# Altium PCB RFSOC_SAWG.PcbDoc (part 11 of 15)
Units mm, origin at the board's own origin, x right, y up, seen from the top; angles counter-clockwise.
Board outline 221.25 x 100 mm, 8 copper layers (Top Layer, Mid-Layer 2, Mid-Layer 3, Mid-Layer 4, Mid-Layer 5, Mid-Layer 6, Mid-Layer 7, Bottom Layer), stack 1.455 mm thick; 1107 components, 833 nets, 3980 pads, 2483 vias.
Unrouted connection lines stored in the file: 1.
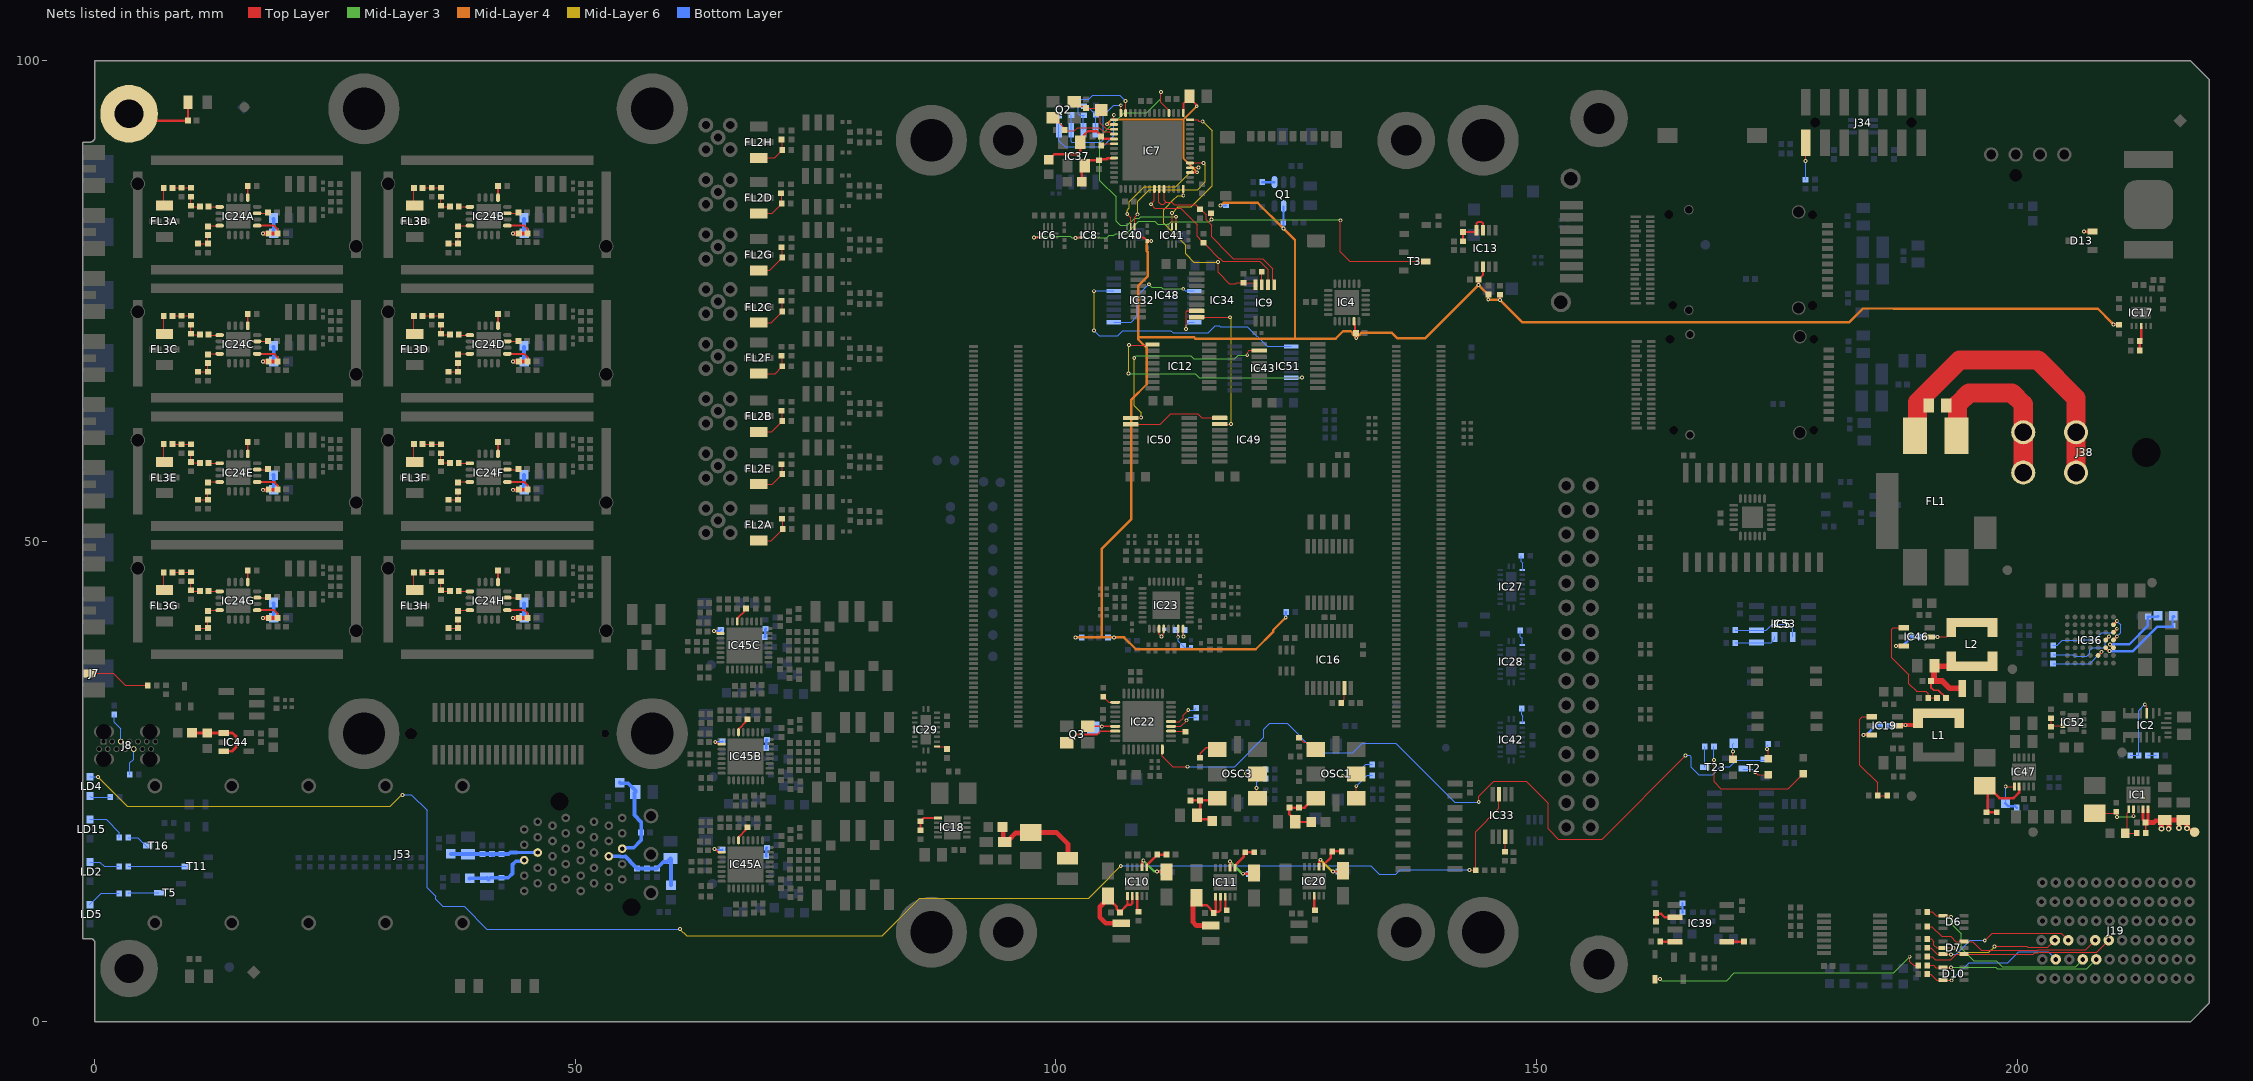
[diagram p17: the nets of this part, all layers, seen from the top]

## Via types
v1: diameter 0.4, hole 0.2, Top Layer to Bottom Layer, tented both sides, 1996 vias
v2: diameter 0.55, hole 0.2, Top Layer to Bottom Layer, 149 vias
v3: diameter 0.5, hole 0.2, Top Layer to Bottom Layer, tented both sides, 106 vias
v4: diameter 0.6, hole 0.3, Top Layer to Bottom Layer, tented both sides, 99 vias
v5: diameter 0.4, hole 0.15, Top Layer to Bottom Layer, tented both sides, 60 vias
v6: diameter 0.6, hole 0.3, Top Layer to Bottom Layer, 32 vias
v7: diameter 0.8, hole 0.5, Top Layer to Bottom Layer, tented both sides, 23 vias
v8: diameter 0.3/0.4/0.4/0.4/0.4/0.3 (per signal layer), hole 0.2, Top Layer to Bottom Layer, tented both sides, 12 vias
v9: diameter 0.4, hole 0.2, Top Layer to Bottom Layer, 5 vias
v10: diameter 0.5, hole 0.2, Top Layer to Bottom Layer, 1 vias

## Nets (pads, with @x,y where several pads share a name; then routed paths per layer and width w, separated by ;. In a path a pad name is that pad's centre, name@x,y a point inside that pad or via, vN(x,y) a via of type N, cw(c..) or ccw(c..) an arc to the next point about the centre after c; other vN are vias at no path point) (continued)
NetC67_1: C67.1 IC36.C1 R182.2 | length 7.3
  Top Layer w0.254: v1(209.662,39.279) 209.687,39.279 IC36.C1@210.037,38.929
  Bottom Layer w0.254: v1(209.662,39.279) 211.679,39.279 213.625,41.225 C67.1@213.625,42.175 214.625,42.175 R182.2@214.675,42.225
NetC76_2: C76.2 IC39.2 R274.2 | length 3
  Top Layer w0.254: R274.2@162.45,10.445 C76.2@162.45,11.35 162.563,11.237 162.988,11.237 163.34,10.885 IC39.2@164.4,10.885
NetC87_2: C87.2 IC36.B3 | length 6.1
  Top Layer w0.254: IC36.B3@208.437,38.129 208.787,38.479 v1(208.787,38.504)
  Bottom Layer w0.127: C87.2@203.75,37.275 207.558,37.275 v1(208.787,38.504)
NetC89_1: C89.1 FL1.3 J38.1 J38.2 | length 31.3
  Top Layer w2: FL1.3@189.4,61 189.65,61.25 189.65,64.475 194.05,68.875 202.175,68.875 206.15,64.9 J38.1@206.15,61.35 J38.2@206.15,57.15
NetC89_2: C89.2 FL1.1 J38.3 J38.4 | length 18.2
  Top Layer w2: FL1.1@193.7,61 193.822,61.122 193.822,64.27 194.994,65.442 199.478,65.442 200.65,64.27 J38.4@200.65,57.15
NetC90_1: C90.1 IC1.7 R2.2 | length 5.4
  Top Layer w0.127: C90.1@208.075,21.7 210.145,21.7 R2.2@210.325,21.88 210.394,21.811 v1(210.394,21.307) ; v1(212.125,21.4) IC1.7@212.125,22.125
  Mid-Layer 3 w0.127: v1(210.394,21.307) 210.441,21.354 212.079,21.354 v1(212.125,21.4)
NetC93_2: C93.2 IC44.1 IC44.3 L22.2 | length 7.3
  Top Layer w0.3: L22.2@10.116,30.078 10.141,30.053 C93.2@11.716,30.053 IC44.1@13.416,30.053 14.322,30.053 14.716,29.659 14.716,28.603 14.266,28.153 IC44.3@13.416,28.153
NetC108_2: C108.2 C109.2 IC7.5 L24.2 | length 9.2
  Top Layer w0.254: L24.2@99.275,89.7 99.85,90.275 102.225,90.275 102.53,90.58 C108.2@102.53,91.52 102.928,91.918 102.928,92.278 103.314,92.664 104.251,92.664 104.527,92.388 104.527,92.283 104.94,91.87 IC7.5@106.055,91.87
NetC110_2: C110.2 C111.2 IC7.9 L25.2 | length 5.3
  Top Layer w0.254: L25.2@102.675,87.4 102.675,88.775 C110.2@103,89.1 103,89.252 103.398,89.65 104.7,89.65 104.825,89.775 105.275,89.775 105.37,89.87 IC7.9@106.055,89.87
NetC132_1: C132.1 M1.1 R175.1 | length 8.3
  Top Layer w0.254: M1.1@3.569,94.486 4.28,93.775 C132.1@9.7,93.775 R175.1@9.7,95.675
NetC136_1: C136.1 IC19.6 | length 2.9
  Top Layer w0.254: v1(184.041,29.856) 184.046,29.86 IC19.6@184.865,29.86
  Bottom Layer w0.254: v1(184.041,29.856) 184.066,29.88 184.33,29.88 185.223,30.773 185.728,30.773 C136.1@185.765,30.81
NetC136_2: C136.2 IC19.2 L1.1 | length 4
  Top Layer w0.4: IC19.2@187.565,30.81 187.64,30.885 189.465,30.885 L1.1@189.697,31.116
  Bottom Layer w0.254: C136.2@186.665,30.81 188.306,30.81 188.368,30.872 v1(188.407,30.872)
NetC141_1: C141.1 IC46.6 | length 2.8
  Top Layer w0.127: IC46.6@188.193,39.125 IC46.6@188.218,39.1
  Top Layer w0.254: v1(187.425,39.125) IC46.6@188.193,39.125
  Bottom Layer w0.254: v1(187.425,39.125) 188.093,39.125 C141.1@189.018,40.05
NetC141_2: C141.2 IC46.2 L2.1 | length 5.1
  Top Layer w0.127: v1(191.718,40.05) IC46.2@190.918,40.05 192.686,40.05 193.168,40.532 L2.1@193.168,40.55
  Bottom Layer w0.254: C141.2@189.918,40.05 v1(191.718,40.05)
NetC144_2: C144.2 C145.2 L2.2 L6.1 R26.2 | length 11.9
  Top Layer w0.2: C144.2@191.068,35.475 191.068,35.204 191.068,34.757 191.32,34.505 191.83,34.505 192.615,33.72 R26.2@192.615,33.7
  Top Layer w0.6: C145.2@191.425,37 L2.2@195.311,37 ; C145.2@191.425,37.075 191.366,37.016 191.366,35.773 C144.2@191.068,35.475 192.225,35.475 192.975,34.725 L6.1@194.303,34.725
NetC148_1: C148.1 C151.1 L8.2 L10.1 | length 10.6
  Top Layer w0.5: L10.1@94.45,20.275 94.527,20.198 94.527,18.975 94.802,18.7 94.85,18.7 95.125,18.975 95.793,19.643 97.318,19.643 C151.1@97.375,19.7 100.075,19.7 101.25,18.525 101.25,17.05 L8.2@101.2,17
NetC155_2: C155.2 IC39.5 | length 1.8
  Top Layer w0.254: IC39.5@169.8,8.345 169.815,8.36 171.585,8.36 C155.2@171.6,8.375
NetC158_1: C158.1 IC47.7 R210.2 R211.2 | length 9
  Top Layer w0.254: R211.2@197.893,21.82 R210.2@196.825,21.82 196.975,21.97 196.975,24.25 C158.1@196.65,24.575 196.875,24.575 198.164,23.286 199.647,23.286 199.975,23.615 199.978,23.615 200.225,23.861 IC47.7@200.225,24.5
NetC179_2: C179.2 C182.2 C183.2 C323.2 J53.L15 L55.2 | length 9.1
  Bottom Layer w0.35: 43.88,17.62 J53.L15@46.072,17.62
  Bottom Layer w0.4: L55.2@37.05,17.5 37.075,17.475 41.3,17.475 C182.2@41.325,17.45 ; C182.2@41.343,17.381 41.507,17.381 41.577,17.45 C183.2@42.3,17.45 43.075,17.45 43.245,17.62 43.88,17.62
NetC184_2: C184.2 C185.2 J53.L16 L56.2 | length 6.9
  Bottom Layer w0.4: L56.2@39,14.925 39.025,14.95 40.775,14.95 C184.2@40.8,14.975 ; C184.2@40.962,14.812 41.148,14.998 C185.2@42.299,14.998 43.023,14.998 43.45,15.425 43.45,16.366 43.798,16.715 44.577,16.715 J53.L16@44.682,16.82
NetC186_2: C186.2 IC13.7 IC13.8 R240.1 | length 4.7
  Top Layer w0.2: R240.1@142.35,81.22 C186.2@142.35,82.192 143.675,82.192 143.775,82.292 IC13.8@143.775,82.375 143.775,83.108 143.892,83.225 144.308,83.225 144.425,83.108 IC13.7@144.425,82.375
NetC187_2: C187.2 IC23.7 R27.1 R83.1 | length 4.1
  Top Layer w0.127: v1(112.723,40.064) 112.724,40.065 IC23.7@112.725,40.9 IC23.7@112.725,40.9
  Bottom Layer w0.127: R27.1@112.45,40.757 112.677,40.53 112.677,40.11 112.752,40.035 112.752,39.61 113.221,39.141 113.221,39.121 113.449,38.893 113.46,38.904 C187.2@113.964,38.904 ; C187.2@113.964,38.904 C187.2@114.068,39.008 ; C187.2@113.964,38.904 C187.2@114.068,39.008 ; C187.2@113.964,38.904 C187.2@114.068,39.008
NetC202_1: C202.1 C203.2 IC11.1 IC11.2 L34.2 | length 11.1
  Top Layer w0.254: C202.1@114.275,12.575 C202.1@114.625,12.925 114.625,12.65 115.123,12.152 115.702,12.152 116.089,11.765 116.089,11.686 C203.2@116.425,11.35 C203.2@116.538,11.463 ; IC11.1@116.625,13.025 116.625,11.55 C203.2@116.538,11.463 ; IC11.2@117.125,13.025 117.125,11.625 116.963,11.463 C203.2@116.538,11.463
  Top Layer w0.5: C202.1@114.275,12.575 114.275,10.375 114.625,10.025 L34.2@116.1,10.025
NetC207_2: C207.2 IC7.3 Q2.1 TP4.1 | length 6.3
  Top Layer w0.127: Q2.1@101.95,95.75 102.442,95.258 103.184,95.258 103.455,94.987 C207.2@103.455,94.88 ; C207.2@103.43,95.066 104.449,95.066 104.635,94.88 104.635,93.513 105.278,92.87 IC7.3@106.055,92.87
NetC208_2: C208.2 IC7.4 Q2.3 | length 7.5
  Top Layer w0.127: Q2.3@99.75,94.05 99.85,94.05 100.387,93.514 100.699,93.201 100.699,92.876 100.875,92.7 101.925,92.7 102.275,93.05 104.526,93.05 104.975,92.601 105.529,92.601 105.759,92.37 IC7.4@106.055,92.37
NetC209_1: C209.1 IC20.7 R10.2 | length 4.2
  Top Layer w0.254: IC20.7@127.375,16.125 127.398,16.148 127.398,16.691 127.533,16.826 v1(127.533,16.865) ; v1(128.848,15.649) 129.799,15.649 C209.1@129.875,15.725
  Mid-Layer 6 w0.254: v1(127.533,16.865) 128.722,15.677 128.82,15.677 v1(128.848,15.649)
  Bottom Layer w0.254: v1(128.848,15.649) 128.856,15.641 129.397,15.641 R10.2@129.405,15.633
NetC210_1: C210.1 IC11.7 R25.2 | length 4.3
  Top Layer w0.255: IC11.7@118.126,16.026 v1(118.126,16.691) ; v1(119.485,15.419) 120.544,15.419 C210.1@120.625,15.5
  Mid-Layer 3 w0.255: v1(118.126,16.691) 119.371,15.446 119.458,15.446 v1(119.485,15.419)
  Bottom Layer w0.255: v1(119.485,15.419) 119.504,15.4 R25.2@120.08,15.4
NetC213_1: C213.1 C278.2 IC10.1 IC10.2 L35.2 | length 10.4
  Top Layer w0.254: C213.1@105.425,13.1 105.425,12.825 105.923,12.327 105.982,12.327 106.314,11.995 106.314,11.736 C278.2@106.65,11.4 107.45,12.2 ; IC10.1@107.45,13.1 107.45,12.2 ; IC10.2@107.95,13.1 107.95,12.35 107.8,12.2 107.45,12.2
  Top Layer w0.5: C213.1@105.425,12.825 104.555,11.955 104.555,10.895 105.186,10.264 L35.2@106.81,10.264
NetC215_2: C215.2 IC23.3 IC23.4 | length 2.7
  Top Layer w0.127: IC23.3@110.725,40.9 110.725,40.36 v1(110.975,40.11) 111.225,40.36 IC23.4@111.225,40.9
  Bottom Layer w0.127: v1(110.975,40.11) 110.975,40.175 111.275,40.475 C215.2@111.275,40.85
NetC237_2: C237.2 C287.2 C288.2 L36.2 OSC1.6 | length 6.6
  Top Layer w0.254: L36.2@126.55,20.8 C288.2@124.9,20.8 124.9,20.975 124.3,21.575 C287.2@124.3,22.3 C237.2@125.3,22.3 125.881,22.3 126.85,23.269 OSC1.6@127.05,23.269
NetC260_2: C260.2 C261.2 C262.2 C263.2 J53.T15 L30.2 | length 10.2
  Bottom Layer w0.35: J53.T15@53.492,17.22 54.655,17.22 54.677,17.198 55.228,17.198
  Bottom Layer w0.4: 55.228,17.198 55.674,16.752 55.674,16.701 C261.2@56.4,15.975 C262.2@57.45,15.975 C263.2@58.475,15.975 59.15,16.65 59.55,16.65 C260.2@59.9,17 59.95,16.95 L30.2@59.95,14.225
NetC264_2: C264.2 C265.2 J53.T16 L31.2 | length 9.8
  Bottom Layer w0.4: L31.2@54.625,24.9 54.691,24.834 55.491,24.834 56.25,24.075 C264.2@56.25,23.9 56.15,23.8 56.15,21.507 56.85,20.807 56.85,18.9 56.075,18.125 54.977,18.125 J53.T16@54.872,18.02
NetC286_1: C286.1 IC10.7 R71.2 | length 4.3
  Top Layer w0.254: IC10.7@108.95,16.1 108.973,16.123 108.973,16.639 109.095,16.761 v1(109.095,16.801) ; v1(110.519,15.636) 110.556,15.6 C286.1@111.525,15.6
  Mid-Layer 3 w0.254: v1(109.095,16.801) 110.232,15.664 110.491,15.664 v1(110.519,15.636)
  Bottom Layer w0.254: v1(110.519,15.636) 110.547,15.608 111.122,15.608 R71.2@111.155,15.575
NetC289_2: C289.2 C290.2 C291.2 L37.2 OSC3.6 | length 6.3
  Top Layer w0.254: C290.2@114,23.05 C291.2@115,23.05 ; L37.2@116.25,20.9 116.05,21.1 115.098,21.1 C289.2@114.7,21.5 C289.2@114.7,21.5 115,21.8 C291.2@115,23.05 ; OSC3.6@116.785,23.269 116.565,23.05 C291.2@115,23.05
NetC314A_1: C314A.1 C315A.2 C316A.2 IC24A.1 L54A.1 | length 6.9
  Top Layer w0.2: IC24A.1@16.889,82.843 18.667,82.843 19,82.51 C314A.1@19,82.05 C314A.1@18.981,82.031
  Top Layer w0.4: v1(17.492,82.031) C314A.1@18.981,82.031
  Bottom Layer w0.4: v1(17.492,82.031) 17.501,82.04 C315A.2@18.634,82.04 18.622,82.053 18.622,83.552 L54A.1@18.609,83.564
NetC314B_1: C314B.1 C315B.2 C316B.2 IC24B.1 L54B.1 | length 6.9
  Top Layer w0.2: IC24B.1@42.924,82.843 44.702,82.843 45.035,82.51 C314B.1@45.035,82.05 C314B.1@45.016,82.031
  Top Layer w0.4: v1(43.527,82.031) C314B.1@45.016,82.031
  Bottom Layer w0.4: v1(43.527,82.031) 43.536,82.04 C315B.2@44.669,82.04 44.657,82.053 44.657,83.552 L54B.1@44.644,83.564
NetC314C_1: C314C.1 C315C.2 C316C.2 IC24C.1 L54C.1 | length 6.9
  Top Layer w0.2: IC24C.1@16.889,69.508 18.667,69.508 19,69.175 C314C.1@19,68.715 C314C.1@18.981,68.696
  Top Layer w0.4: v1(17.492,68.696) C314C.1@18.981,68.696
  Bottom Layer w0.4: v1(17.492,68.696) 17.501,68.705 C315C.2@18.634,68.705 18.622,68.718 18.622,70.217 L54C.1@18.609,70.229
NetC314D_1: C314D.1 C315D.2 C316D.2 IC24D.1 L54D.1 | length 6.9
  Top Layer w0.2: IC24D.1@42.924,69.508 44.702,69.508 45.035,69.175 C314D.1@45.035,68.715 C314D.1@45.016,68.696
  Top Layer w0.4: v1(43.527,68.696) C314D.1@45.016,68.696
  Bottom Layer w0.4: v1(43.527,68.696) 43.536,68.705 44.669,68.705 44.657,68.718 44.657,70.217 L54D.1@44.644,70.229
NetC314E_1: C314E.1 C315E.2 C316E.2 IC24E.1 L54E.1 | length 6.9
  Top Layer w0.2: IC24E.1@16.889,56.173 18.667,56.173 19,55.84 C314E.1@19,55.38 C314E.1@18.981,55.361
  Top Layer w0.4: v1(17.492,55.361) C314E.1@18.981,55.361
  Bottom Layer w0.4: v1(17.492,55.361) 17.501,55.37 C315E.2@18.634,55.37 18.622,55.383 18.622,56.882 L54E.1@18.609,56.894
NetC314F_1: C314F.1 C315F.2 C316F.2 IC24F.1 L54F.1 | length 6.9
  Top Layer w0.2: IC24F.1@42.924,56.173 44.702,56.173 45.035,55.84 C314F.1@45.035,55.38 C314F.1@45.016,55.361
  Top Layer w0.4: v1(43.527,55.361) C314F.1@45.016,55.361
  Bottom Layer w0.4: v1(43.527,55.361) 43.536,55.37 C315F.2@44.669,55.37 44.657,55.383 44.657,56.882 L54F.1@44.644,56.894
NetC314G_1: C314G.1 C315G.2 C316G.2 IC24G.1 L54G.1 | length 6.9
  Top Layer w0.2: IC24G.1@16.889,42.838 18.667,42.838 19,42.505 C314G.1@19,42.045 C314G.1@18.981,42.026
  Top Layer w0.4: v1(17.492,42.026) C314G.1@18.981,42.026
  Bottom Layer w0.4: v1(17.492,42.026) 17.501,42.035 C315G.2@18.634,42.035 18.622,42.048 18.622,43.547 L54G.1@18.609,43.559
NetC314H_1: C314H.1 C315H.2 C316H.2 IC24H.1 L54H.1 | length 6.9
  Top Layer w0.2: IC24H.1@42.924,42.838 44.702,42.838 45.035,42.505 C314H.1@45.035,42.045 C314H.1@45.016,42.026
  Top Layer w0.4: v1(43.527,42.026) C314H.1@45.016,42.026
  Bottom Layer w0.4: v1(43.527,42.026) 43.536,42.035 C315H.2@44.669,42.035 44.657,42.048 44.657,43.547 L54H.1@44.644,43.559
NetC317A_1: C317A.1 IC24A.9 | length 1.2
  Top Layer w0.1: C317A.1@11.833,84.834 11.874,84.793 IC24A.9@12.989,84.793
NetC317A_2: C317A.2 R125A.1 R126A.2 | length 1.9
  Top Layer w0.1: R125A.1@10,85.85 9.986,85.836 R126A.2@9.986,84.923 10.075,84.834 C317A.2@10.933,84.834
NetC317B_1: C317B.1 IC24B.9 | length 1.2
  Top Layer w0.1: C317B.1@37.868,84.834 37.909,84.793 IC24B.9@39.024,84.793
NetC317B_2: C317B.2 R125B.1 R126B.2 | length 1.9
  Top Layer w0.1: R125B.1@36.035,85.85 36.021,85.836 R126B.2@36.021,84.923 36.11,84.834 C317B.2@36.968,84.834
NetC317C_1: C317C.1 IC24C.9 | length 1.2
  Top Layer w0.1: C317C.1@11.833,71.499 11.874,71.458 IC24C.9@12.989,71.458
NetC317C_2: C317C.2 R125C.1 R126C.2 | length 1.9
  Top Layer w0.1: R125C.1@10,72.515 9.986,72.501 R126C.2@9.986,71.588 10.075,71.499 C317C.2@10.933,71.499
NetC317D_1: C317D.1 IC24D.9 | length 1.2
  Top Layer w0.1: C317D.1@37.868,71.499 37.909,71.458 IC24D.9@39.024,71.458
NetC317D_2: C317D.2 R125D.1 R126D.2 | length 1.9
  Top Layer w0.1: R125D.1@36.035,72.515 36.021,72.501 R126D.2@36.021,71.588 36.11,71.499 C317D.2@36.968,71.499
NetC317E_1: C317E.1 IC24E.9 | length 1.2
  Top Layer w0.1: C317E.1@11.833,58.164 11.874,58.123 IC24E.9@12.989,58.123
NetC317E_2: C317E.2 R125E.1 R126E.2 | length 1.9
  Top Layer w0.1: R125E.1@10,59.18 9.986,59.166 R126E.2@9.986,58.253 10.075,58.164 C317E.2@10.933,58.164
NetC317F_1: C317F.1 IC24F.9 | length 1.2
  Top Layer w0.1: C317F.1@37.868,58.164 37.909,58.123 IC24F.9@39.024,58.123
NetC317F_2: C317F.2 R125F.1 R126F.2 | length 1.9
  Top Layer w0.1: R125F.1@36.035,59.18 36.021,59.166 R126F.2@36.021,58.253 36.11,58.164 C317F.2@36.968,58.164
NetC317G_1: C317G.1 IC24G.9 | length 1.2
  Top Layer w0.1: C317G.1@11.833,44.829 11.874,44.788 IC24G.9@12.989,44.788
NetC317G_2: C317G.2 R125G.1 R126G.2 | length 1.9
  Top Layer w0.1: R125G.1@10,45.845 9.986,45.831 R126G.2@9.986,44.918 10.075,44.829 C317G.2@10.933,44.829
NetC317H_1: C317H.1 IC24H.9 | length 1.2
  Top Layer w0.1: C317H.1@37.868,44.829 37.909,44.788 IC24H.9@39.024,44.788
NetC317H_2: C317H.2 R125H.1 R126H.2 | length 1.9
  Top Layer w0.1: R125H.1@36.035,45.845 36.021,45.831 R126H.2@36.021,44.918 36.11,44.829 C317H.2@36.968,44.829
NetC318A_1: C318A.1 R125A.2 R127A.2 | length 1.9
  Top Layer w0.1: C318A.1@8.075,86.775 8.09,86.79 R127A.2@9.025,86.79 R125A.2@10,86.79
NetC318A_2: C318A.2 FL3A.1 | length 1.9
  Top Layer w0.1: C318A.2@7.175,86.775 7.175,85.1 FL3A.1@7.35,84.925
NetC318B_1: C318B.1 R125B.2 R127B.2 | length 1.9
  Top Layer w0.1: C318B.1@34.11,86.775 34.125,86.79 R127B.2@35.06,86.79 R125B.2@36.035,86.79
NetC318B_2: C318B.2 FL3B.1 | length 1.9
  Top Layer w0.1: C318B.2@33.21,86.775 33.21,85.1 FL3B.1@33.385,84.925
NetC318C_1: C318C.1 R125C.2 R127C.2 | length 1.9
  Top Layer w0.1: C318C.1@8.075,73.44 8.09,73.455 R127C.2@9.025,73.455 R125C.2@10,73.455
NetC318C_2: C318C.2 FL3C.1 | length 1.9
  Top Layer w0.1: C318C.2@7.175,73.44 7.175,71.765 FL3C.1@7.35,71.59
NetC318D_1: C318D.1 R125D.2 R127D.2 | length 1.9
  Top Layer w0.1: C318D.1@34.11,73.44 34.125,73.455 R127D.2@35.06,73.455 R125D.2@36.035,73.455
NetC318D_2: C318D.2 FL3D.1 | length 1.9
  Top Layer w0.1: C318D.2@33.21,73.44 33.21,71.765 FL3D.1@33.385,71.59
NetC318E_1: C318E.1 R125E.2 R127E.2 | length 1.9
  Top Layer w0.1: C318E.1@8.075,60.105 8.09,60.12 R127E.2@9.025,60.12 R125E.2@10,60.12
NetC318E_2: C318E.2 FL3E.1 | length 1.9
  Top Layer w0.1: C318E.2@7.175,60.105 7.175,58.43 FL3E.1@7.35,58.255
NetC318F_1: C318F.1 R125F.2 R127F.2 | length 1.9
  Top Layer w0.1: C318F.1@34.11,60.105 34.125,60.12 R127F.2@35.06,60.12 R125F.2@36.035,60.12
NetC318F_2: C318F.2 FL3F.1 | length 1.9
  Top Layer w0.1: C318F.2@33.21,60.105 33.21,58.43 FL3F.1@33.385,58.255
NetC318G_1: C318G.1 R125G.2 R127G.2 | length 1.9
  Top Layer w0.1: C318G.1@8.075,46.77 8.09,46.785 R127G.2@9.025,46.785 R125G.2@10,46.785
NetC318G_2: C318G.2 FL3G.1 | length 1.9
  Top Layer w0.1: C318G.2@7.175,46.77 7.175,45.095 FL3G.1@7.35,44.92
NetC318H_1: C318H.1 R125H.2 R127H.2 | length 1.9
  Top Layer w0.1: C318H.1@34.11,46.77 34.125,46.785 R127H.2@35.06,46.785 R125H.2@36.035,46.785
NetC318H_2: C318H.2 FL3H.1 | length 1.9
  Top Layer w0.1: C318H.2@33.21,46.77 33.21,45.095 FL3H.1@33.385,44.92
NetC319A_2: C319A.2 IC24A.3 | length 1.2
  Top Layer w0.1: IC24A.3@16.889,84.143 17.989,84.143 C319A.2@18.045,84.199
NetC319B_2: C319B.2 IC24B.3 | length 1.2
  Top Layer w0.1: IC24B.3@42.924,84.143 44.024,84.143 C319B.2@44.08,84.199
NetC319C_2: C319C.2 IC24C.3 | length 1.2
  Top Layer w0.1: IC24C.3@16.889,70.808 17.989,70.808 C319C.2@18.045,70.864
NetC319D_2: C319D.2 IC24D.3 | length 1.2
  Top Layer w0.1: IC24D.3@42.924,70.808 44.024,70.808 C319D.2@44.08,70.864
NetC319E_2: C319E.2 IC24E.3 | length 1.2
  Top Layer w0.1: IC24E.3@16.889,57.473 17.989,57.473 C319E.2@18.045,57.529
NetC319F_2: C319F.2 IC24F.3 | length 1.2
  Top Layer w0.1: IC24F.3@42.924,57.473 44.024,57.473 C319F.2@44.08,57.529
NetC319G_2: C319G.2 IC24G.3 | length 1.2
  Top Layer w0.1: IC24G.3@16.889,44.138 17.989,44.138 C319G.2@18.045,44.194
NetC319H_2: C319H.2 IC24H.3 | length 1.2
  Top Layer w0.1: IC24H.3@42.924,44.138 44.024,44.138 C319H.2@44.08,44.194
NetC322A_1: C322A.1 IC24A.12 | length 1.3
  Top Layer w0.1: C322A.1@11.764,82.771 11.836,82.843 IC24A.12@12.989,82.843
NetC322A_2: C322A.2 R129A.1 R131A.2 | length 1.9
  Top Layer w0.1: R131A.2@10.748,80.986 R129A.1@11.764,80.986 C322A.2@11.764,81.871
NetC322B_1: C322B.1 IC24B.12 | length 1.3
  Top Layer w0.1: C322B.1@37.799,82.771 37.871,82.843 IC24B.12@39.024,82.843
NetC322B_2: C322B.2 R129B.1 R131B.2 | length 1.9
  Top Layer w0.1: R131B.2@36.783,80.986 R129B.1@37.799,80.986 C322B.2@37.799,81.871
NetC322C_1: C322C.1 IC24C.12 | length 1.3
  Top Layer w0.1: C322C.1@11.764,69.436 11.836,69.508 IC24C.12@12.989,69.508
NetC322C_2: C322C.2 R129C.1 R131C.2 | length 1.9
  Top Layer w0.1: R131C.2@10.748,67.651 R129C.1@11.764,67.651 C322C.2@11.764,68.536
NetC322D_1: C322D.1 IC24D.12 | length 1.3
  Top Layer w0.1: C322D.1@37.799,69.436 37.871,69.508 IC24D.12@39.024,69.508
NetC322D_2: C322D.2 R129D.1 R131D.2 | length 1.9
  Top Layer w0.1: R131D.2@36.783,67.651 R129D.1@37.799,67.651 C322D.2@37.799,68.536
NetC322E_1: C322E.1 IC24E.12 | length 1.3
  Top Layer w0.1: C322E.1@11.764,56.101 11.836,56.173 IC24E.12@12.989,56.173
NetC322E_2: C322E.2 R129E.1 R131E.2 | length 1.9
  Top Layer w0.1: R131E.2@10.748,54.316 R129E.1@11.764,54.316 C322E.2@11.764,55.201
NetC322F_1: C322F.1 IC24F.12 | length 1.3
  Top Layer w0.1: C322F.1@37.799,56.101 37.871,56.173 IC24F.12@39.024,56.173
NetC322F_2: C322F.2 R129F.1 R131F.2 | length 1.9
  Top Layer w0.1: R131F.2@36.783,54.316 R129F.1@37.799,54.316 C322F.2@37.799,55.201
NetC322G_1: C322G.1 IC24G.12 | length 1.3
  Top Layer w0.1: C322G.1@11.764,42.766 11.836,42.838 IC24G.12@12.989,42.838
NetC322G_2: C322G.2 R129G.1 R131G.2 | length 1.9
  Top Layer w0.1: R131G.2@10.748,40.981 R129G.1@11.764,40.981 C322G.2@11.764,41.866
NetC322H_1: C322H.1 IC24H.12 | length 1.3
  Top Layer w0.1: C322H.1@37.799,42.766 37.871,42.838 IC24H.12@39.024,42.838
NetC322H_2: C322H.2 R129H.1 R131H.2 | length 1.9
  Top Layer w0.1: R131H.2@36.783,40.981 R129H.1@37.799,40.981 C322H.2@37.799,41.866
NetD3_1: D3.1 R184.1 | length 13.9
  Top Layer w0.127: v1(168.478,27.248) 168.478,24.972 169.2,24.25 176.175,24.25 D3.1@177.75,25.825
  Bottom Layer w0.127: R184.1@168.47,28.65 168.47,27.256 v1(168.478,27.248)
NetD6_4: D6.4 J19.I2 R137.2 | length 20.1
  Top Layer w0.127: R137.2@190.645,11.438 191.188,11.438 191.575,11.05 192.923,11.05 193.043,10.929 v1(193.117,10.929)
  Mid-Layer 3 w0.127: v1(193.117,10.929) 193.117,10.285 194.22,9.182 194.22,7.678 195.523,6.375 197.855,6.375 198.47,5.76 206.098,5.76 J19.I2@206.838,6.5
NetD7_1: D7.1 J19.G3 R139.2 | length 19.9
  Top Layer w0.127: R139.2@190.645,6.8 191.178,6.8 191.498,6.48 193.132,6.48 193.702,7.05 D7.1@194.5,7.05 194.525,7.025 201.7,7.025 201.871,7.196 202.287,7.196 202.331,7.241 208.279,7.241 J19.G3@209.538,8.5
NetD7_3: D7.3 J19.H3 R135.2 | length 18.9
  Top Layer w0.127: R135.2@190.645,9.905 191.145,9.905 192.163,8.887 193.115,8.887 193.652,8.35 D7.3@194.5,8.35 195.375,8.35 196.275,7.45 202.182,7.45 202.226,7.495 207.133,7.495 J19.H3@208.138,8.5
NetD7_5: D7.5 J19.K3 R221.2 | length 14.7
  Top Layer w0.127: R221.2@190.645,8.625 191.091,8.625 191.363,8.353 191.363,7.972 191.634,7.7 D7.5@192.3,7.7 v1(193.4,7.7) ; v1(197.675,7.84) 197.684,7.85 201.025,7.85 201.116,7.759 203.198,7.759 J19.K3@203.938,8.5